# Altium PCB Arduboy_V3.5-2.PcbDoc
Units mil, origin at the board's own origin, x right, y up, seen from the top; angles counter-clockwise.
Board outline 1187.13 x 1777.68 mil, 2 copper layers (Top Layer, Bottom Layer), stack 30.709 mil thick; 44 components, 41 nets, 259 pads, 138 vias.
Unrouted connection lines stored in the file: 50.
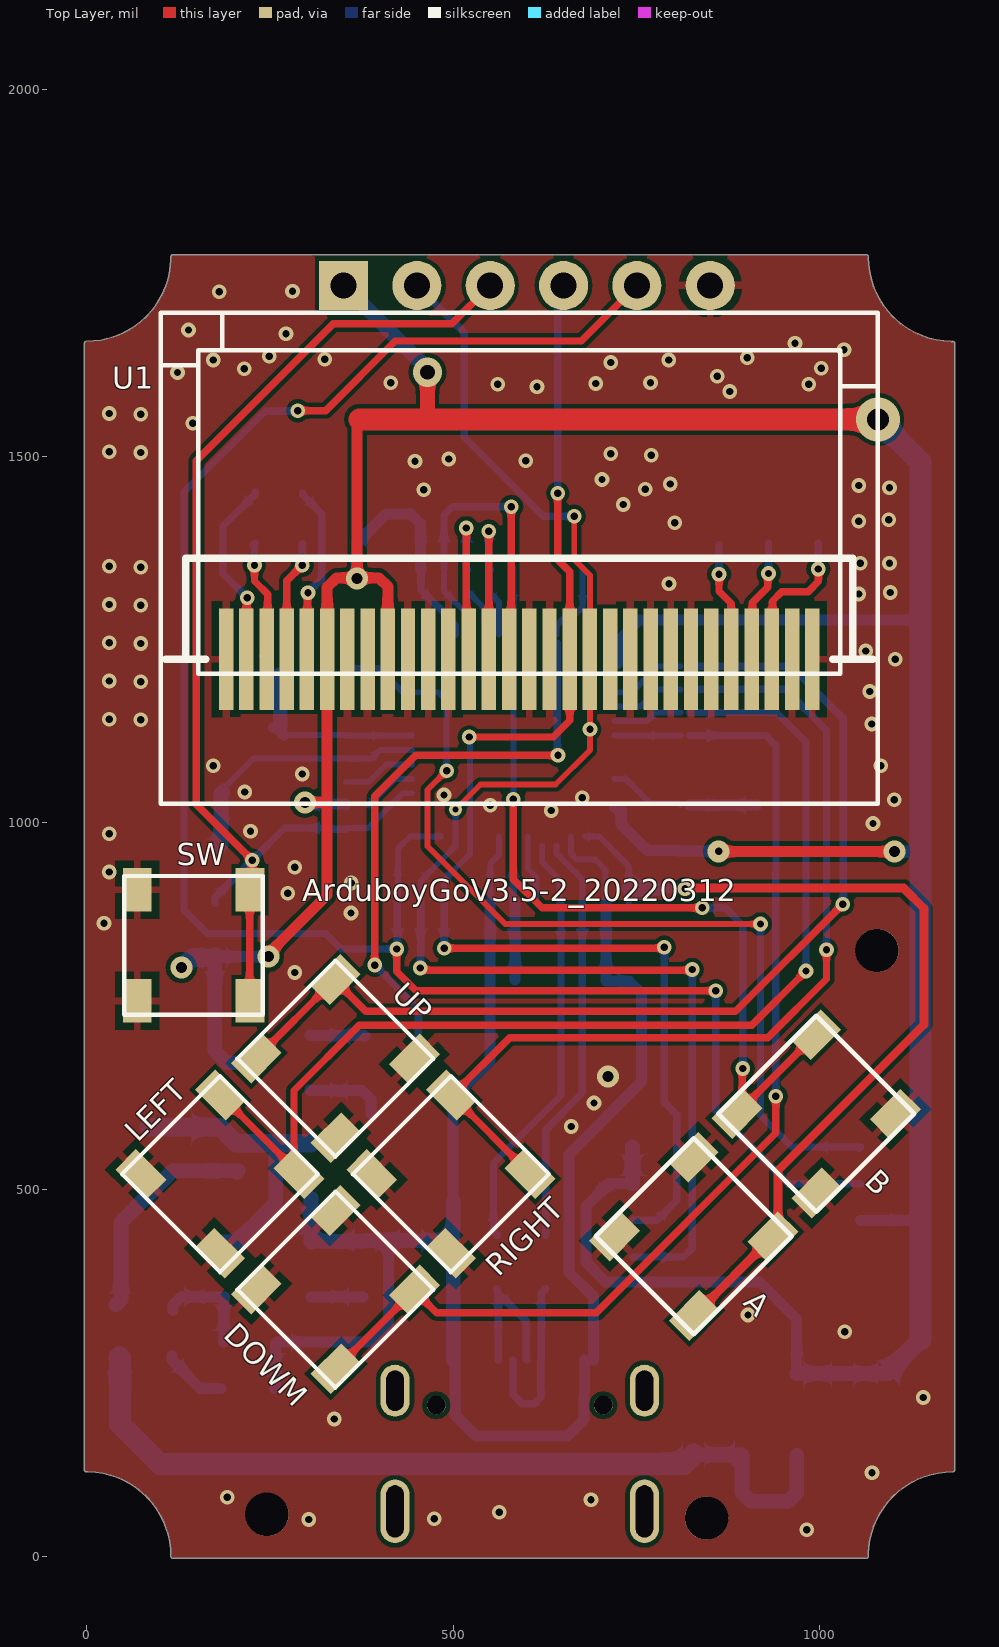
[diagram p0: Top Layer view]
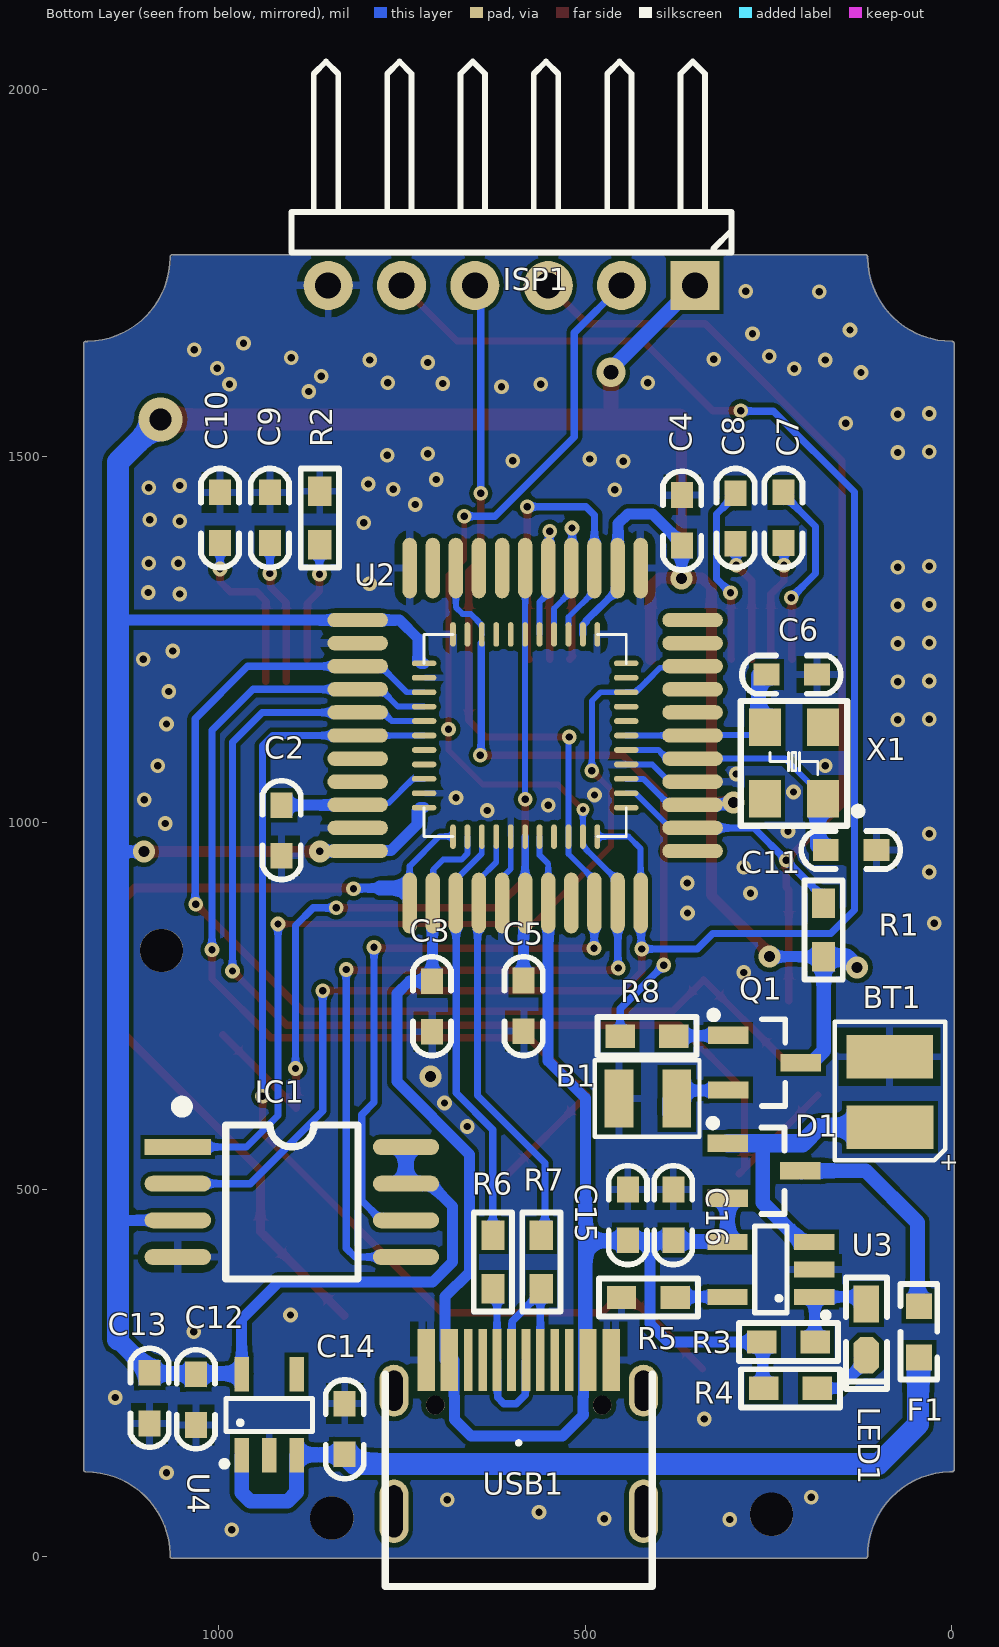
[diagram p1: Bottom Layer view, seen from below]

## Layer stack, top to bottom
Top Solder: solder mask 0.4, Solder Resist, Dk 3.5
Top Layer: signal copper 3.937
Dielectric 1: dielectric 22.8346, FR-4, Dk 4.8
Bottom Layer: signal copper 3.937
Bottom Solder: solder mask 0.4, Solder Resist, Dk 3.5

## Board outline
1.37,115.39 ccw(c2.75,118.08) 2.68,115.06 cw(c0,0) 115.1,0 ccw(c118.11,0) 118.11,-3.02 1063.02,-3.01 ccw(c1063.02,0) 1066.04,0 ccw(c1063.02,0) 1065.71,1.37 ccw(c1063.02,2.75) 1066.04,2.68 cw(c1181.1,0) 1181.1,115.1 ccw(c1181.1,118.11) 1184.12,118.11 1184.12,118.15 1184.12,1653.33 ccw(c1181.1,1653.33) 1179.73,1656.01 ccw(c1178.35,1653.33) 1178.42,1656.35 cw(c1181.1,1771.41) 1066.01,1771.41 ccw(c1062.99,1771.41) 1066,1771.53 ccw(c1062.99,1771.65) 1066.01,1771.65 ccw(c1062.99,1771.65) 1062.99,1774.67 118.08,1774.67 ccw(c118.08,1771.65) 115.39,1770.28 ccw(c118.08,1768.91) 115.06,1768.98 cw(c0,1771.65) 0,1656.56 ccw(c0,1653.54) -3.01,1653.54 -3.02,118.08 ccw(c0,118.08)

## Design rules (kind name [scope] priority, off if disabled: settings)
Clearance [All] p1: gap=6 ignorepadtopadclearanceinfootprint=FALSE
ComponentClearance [All] p1 off: gap=10 collisioncheckmode=3 verticalgap=0 showdistances=FALSE
MinimumSolderMaskSliver [All] p1: minsoldermaskwidth=2
PolygonConnect [All] p1: thpad.connectstyle=Relief thpad.reliefconductorwidth=10 thpad.reliefentries=4 thpad.polygonreliefangle="90 Angle" thpad.airgapwidth=10 smdpad.connectstyle=Relief smdpad.reliefconductorwidth=10 smdpad.reliefentries=4 smdpad.polygonreliefangle="90 Angle" smdpad.airgapwidth=10 via.connectstyle=Direct via.reliefconductorwidth=10 via.reliefentries=4 via.polygonreliefangle="90 Angle" via.airgapwidth=10
RoutingVias [All] p1: holewidth=10 width=20 viastyle="Through Hole" minholewidth=8 minwidth=18 maxholewidth=50 maxwidth=100
SilkToSilkClearance [All] p1: silktosilkclearance=6
SilkToSolderMaskClearance [IsPad] p1: minsilkscreentomaskgap=0 clearancetoexposedcopper=TRUE
SolderMaskExpansion [All] p1: expansion=4 istentingtop=FALSE
Width [All] p1: maxlimit=30 minlimit=6 preferedwidth=6
26 further rules are at their usual default settings.

## Components (designator, comment, footprint, x,y, rotation, side; value= is the part's Value field where it differs from the comment)
A "6x6" "SW SMD-4.8*4.8*0.5" 828,436.13 r225 top
B "6x6" "SW SMD-4.8*4.8*0.5" 995.03,603.16 r45 top
B1 "DC5V" "BEEP SMD-2" 375.26,624 r90 bottom
BT1 "Battery" "Li-Bettery SMD" 85,642 r0 bottom
C2 "0.1uF" "C 0603" 914,990 r90 bottom
C3 "1uF" "C 0603" 709,750 r90 bottom
C4 "2.2uF" "C 0603" 368,1412 r270 bottom
C5 "1uF" "C 0603" 584,750 r270 bottom
C6 "22pf" "C 0603" 219,1202 r0 bottom
C7 "1uF" "C 0603" 230,1415.54 r270 bottom
C8 "1uF" "C 0603" 295,1415.54 r90 bottom
C9 "2.2uF" "C 0603" 930,1415.54 r270 bottom
C10 "2.2uF" "C 0603" 998,1415.54 r270 bottom
C11 "22pf" "C 0603" 138,963 r0 bottom
C12 "2.2uF" "C 0603" 1031,214 r90 bottom
C13 "0.1uF" "C 0603" 1094,216 r90 bottom
C14 "1uF" "C 0603" 828,173 r270 bottom
C15 "10uF" "C 0603" 442,465 r270 bottom
C16 "0.1uF" "C 0603" 380,465 r270 bottom
D1 "BAT54C" SOT23-3M 306,525.6 r270 bottom
DOWM "6x6" "SW SMD-4.8*4.8*0.5" 339.48,363.52 r225 top
F1 "MSMD200-8V 2A" "FU 0603" 45,306 r270 bottom
IC1 "W25Qxx" SOP8W_N 900,483 r180 bottom
ISP1 "HDR-1X6" HDR-1X6_H 350.5,1732.66 r0 bottom
LED1 "" "LED 0603B" 117,309 r270 bottom
LEFT "6x6" "SW SMD-4.8*4.8*0.5" 182,521 r315 top
Q1 "SS8050" SOT23-3M 304.97,673 r270 bottom
R1 "10K" "R 0603" 175,854 r270 bottom
R2 "910K" "R 0603" 862,1415.5 r270 bottom
R3 "10K" "R 0603" 223,292 r180 bottom
R4 "3.3K" "R 0603" 220,229 r0 bottom
R5 "1.5K" "R 0603" 414,352.88 r0 bottom
R6 "22" "R 0603" 626,401 r270 bottom
R7 "22" "R 0603" 560,401 r270 bottom
R8 "3.3K" "R 0603" 416,709 r180 bottom
RIGHT "6x6" "SW SMD-4.8*4.8*0.5" 496.96,521 r315 top
SW "3x6x5" "SW SMD-4.8*4.8*0.5" 146,833 r90 top
U1 "OLED 0.96" "OLED 0.96" 590,1223 r0 top
U2 "Atmega32U4-Line-5v" LQFP-QFN 582,1119 r180 bottom
U3 "LTC4054" SOT23-5M 247,391 r90 bottom
U4 "SPX3819" SOT23-5N 931,193 r180 bottom
UP "6x6" "SW SMD-4.8*4.8*0.5" 339.48,678.48 r45 top
USB1 "Type-C" "Type C 16p" 590.78,154.53 r90 bottom
X1 "8M" XTAL-3225 178,1036 r0 bottom

## Footprints (in the part's own frame and the unit in brackets; to place one, negate y for a bottom-side part, rotate by r counter-clockwise, add the part's x,y. Pads: shape width x height; smd on the part's side, far side on the other; paste and mask are expansions set on the pad)
"BEEP SMD-2" [mm]
  rect 2x1 smd: 1(0,0) 2(0,2)
  silkscreen extent -1.32,-0.79 1.32,2.84
"C 0603" [mil] "无极性贴片电容"
  rect 35x30 smd: 1(-35,0) 2(34,0)
  silkscreen extent -67,-26 67,26, body extent -31,-16 31,16, height 32
"FU 0603" [mil] "贴片保险丝"
  rect 35x35 smd: 1(-35,0) 2(35,0)
  silkscreen extent -65,-25 65,25, body extent -31,-16 31,16, height 20
HDR-1X6_H [mm] "弯脚排针，6脚"
  rect 1.7x1.7 hole 0.9: 1(0,0)
  round 1.7 hole 0.9: 2(2.54,0) 3(5.08,0) 4(7.62,0) 5(10.16,0) 6(12.7,0)
  silkscreen extent -1.27,-7.76 13.97,-1.14, body extent -1.27,-7.77 13.97,1.27, height 4.85
"LED 0603B" [mil] "蓝色0603LED"
  rect 50x35 smd: 1(-35,0.26)
  oct 50x35 smd: 2(35,0.26)
  silkscreen extent -71,-28 81,28, body extent -31,-16 31,16, height 24
"Li-Bettery SMD" [mm] "锂电池焊接部分"
  rect 3x1.5 smd: 1(-0.013,1.448) 2(0,-0.991)
  silkscreen extent -1.93,-2.21 1.91,2.59
LQFP-QFN [mm] "Pin2Pin"
  oval 0.5x2.1 smd: 1(-4,-5.8) 2(-3.2,-5.8) 3(-2.4,-5.8) 4(-1.6,-5.8) 5(-0.8,-5.8) 6(0,-5.8) 7(0.8,-5.8) 8(1.6,-5.8) 9(2.4,-5.8) 10(3.2,-5.8) 11(4,-5.8) 23(4,5.8) 24(3.2,5.8) 25(2.4,5.8) 26(1.6,5.8) 27(0.8,5.8) 28(0,5.8) 29(-0.8,5.8) 30(-1.6,5.8) 31(-2.4,5.8) 32(-3.2,5.8) 33(-4,5.8)
  oval 0.2x0.85 smd: 1(-2.5,-3.5) 2(-2,-3.5) 3(-1.5,-3.5) 4(-1,-3.5) 5(-0.5,-3.5) 6(0,-3.5) 7(0.5,-3.5) 8(1,-3.5) 9(1.5,-3.5) 10(2,-3.5) 11(2.5,-3.5) 23(2.5,3.5) 24(2,3.5) 25(1.5,3.5) 26(1,3.5) 27(0.5,3.5) 28(0,3.5) 29(-0.5,3.5) 30(-1,3.5) 31(-1.5,3.5) 32(-2,3.5) 33(-2.5,3.5)
  oval 0.85x0.2 smd: 12(3.5,-2.5) 13(3.5,-2) 14(3.5,-1.5) 15(3.5,-1) 16(3.5,-0.5) 17(3.5,0) 18(3.5,0.5) 19(3.5,1) 20(3.5,1.5) 21(3.5,2) 22(3.5,2.5) 34(-3.5,2.5) 35(-3.5,2) 36(-3.5,1.5) 37(-3.5,1) 38(-3.5,0.5) 39(-3.5,0) 40(-3.5,-0.5) 41(-3.5,-1) 42(-3.5,-1.5) 43(-3.5,-2) 44(-3.5,-2.5)
  oval 2.1x0.5 smd: 12(5.8,-4) 13(5.8,-3.2) 14(5.8,-2.4) 15(5.8,-1.6) 16(5.8,-0.8) 17(5.8,0) 18(5.8,0.8) 19(5.8,1.6) 20(5.8,2.4) 21(5.8,3.2) 22(5.8,4) 34(-5.8,4) 35(-5.8,3.2) 36(-5.8,2.4) 37(-5.8,1.6) 38(-5.8,0.8) 39(-5.8,0) 40(-5.8,-0.8) 41(-5.8,-1.6) 42(-5.8,-2.4) 43(-5.8,-3.2) 44(-5.8,-4)
  silkscreen extent -3.5,-3.5 3.5,3.5
"OLED 0.96" [mm]
  rect 0.5x3.5 smd: 1(-10.15,0) 2(-9.45,0) 3(-8.75,0) 4(-8.05,0) 5(-7.35,0) 6(-6.65,0) 7(-5.95,0) 8(-5.25,0) 9(-4.55,0) 10(-3.85,0) 11(-3.15,0) 12(-2.45,0) 13(-1.75,0) 14(-1.05,0) 15(-0.35,0) 16(0.35,0) 17(1.05,0) 18(1.75,0) 19(2.45,0) 20(3.15,0) 21(3.85,0) 22(4.55,0) 23(5.25,0) 24(5.95,0) 25(6.65,0) 26(7.35,0) 27(8.05,0) 28(8.75,0) 29(9.45,0) 30(10.15,0)
  silkscreen extent -12.42,-5 12.42,12, body extent -12.42,-8.89 12.42,12, height 1.5
"R 0603" [mil] "1/10W贴片电阻"
  rect 40x31.5 smd: 1(-36.5,0) 2(36.5,0)
  silkscreen extent -68,-26 68,26, body extent -31,-16 31,16, height 16
SOP8W_N [mm] "5.3*8.3*1.8mm（长宽高）"
  rect 2.3x0.55 smd: 1(-3.95,1.905)
  oval 2.3x0.55 smd: 2(-3.95,0.635) 3(-3.95,-0.635) 4(-3.95,-1.905) 5(3.95,-1.905) 6(3.95,-0.635) 7(3.95,0.635) 8(3.95,1.905)
  silkscreen extent -3.94,-2.67 2.29,3.43, body extent -3.94,-2.64 3.94,2.64, height 1.9
SOT23-3M [mm] "3x1.3x1mm(长宽高)"
  rect 0.6x1.4 smd: 1(-0.95,0) 2(0.95,0) 3(0,2.514)
  silkscreen extent -1.78,-0.63 1.5,1.97, body extent -1.5,0.07 1.5,2.47, height 1.05
SOT23-5M [mm] "3x1.6x1.1mm(长宽高)"
  rect 0.55x1.4 smd: 1(-0.95,-1.5) 2(0,-1.5) 3(0.95,-1.5) 4(0.95,1.5) 5(-0.95,1.5)
  silkscreen extent -1.66,-1.98 1.5,0.56, body extent -1.5,-1.4 1.5,1.4, height 1.15
SOT23-5N [mm] "3x1.6x1.1mm(长宽高)"
  rect 0.5x1.2 smd: 1(-0.95,-1.4) 2(0,-1.4) 3(0.95,-1.4) 4(0.95,1.4) 5(-0.95,1.4)
  silkscreen extent -1.63,-1.78 1.5,0.56, body extent -1.5,-1.4 1.5,1.4, height 1.15
"SW SMD-4.8*4.8*0.5" [mm] "锅仔片"
  rect 1.5x1 smd: 1(-1.925,1.95) 1(1.925,1.95) 2(-1.925,-1.95) 2(1.925,-1.95)
  silkscreen extent -2.4,-2.4 2.4,2.4, body extent -2.4,-2.4 2.4,2.4, height 0.35
"Type C 16p" [mm]
  oval 2.2x1 hole 0.6 slot 1.8 at 0 deg: 0(-2.373,4.32) 0(-2.373,-4.32)
  oval 1.8x1 hole 0.6 slot 1.4 at 0 deg: 0(1.807,-4.32) 0(1.807,4.32)
  rect 2.15x0.3 smd: A1(2.873,3.35) A4(2.873,2.55) A5(2.873,1.25) A6(2.873,0.249) A7(2.873,-0.25) A8(2.873,-1.25) A9(2.873,-2.55) A12(2.873,-3.35) B1(2.873,-3.051) B4(2.873,-2.25) B5(2.873,-1.75) B6(2.873,-0.749) B7(2.873,0.749) B8(2.873,1.75) B9(2.873,2.25) B12(2.873,3.051)
  round 0.65 hole 0.65 unplated: ""(1.307,-2.89) ""(1.307,2.89)
  silkscreen extent -4.97,-4.62 2.37,4.62, body extent -4.97,-4.62 2.37,4.62, height 3.16
XTAL-3225 [mil]
  rect 43.31x51.18 smd: 1(-2,3) 2(-2,-94) 3(77,-94) 4(77,3)
  silkscreen extent -55,-130 110,40, body extent -13,-108 85,18, height 31

## Part data
A B DOWM LEFT RIGHT UP: library part "SW SMD-2", "Arduboy 用"
B1: library part BEEP, "蜂鸣器", BOM名称=蜂鸣器, 学习资源=https://lmdzstyle.taobao.com/, 版权归属=黎明电子style
BT1: "锂电池"
C2 C3 C4 C5 C6 C7 C8 C9 C10 C11 C12 C13 C14 C15 C16: library part C, "无极性贴片电容", BOM名称=无极性贴片电容, 学习资源=https://lmdzstyle.taobao.com/, 版权归属=黎明电子style
D1: "双肖基特二极管"
F1: library part FU, "贴片保险丝", BOM名称=贴片保险丝, 学习资源=https://lmdzstyle.taobao.com/, 版权归属=黎明电子style
IC1: "外置Flash", BOM名称=外置Flash, 学习资源=https://lmdzstyle.taobao.com/, 版权归属=黎明电子style
ISP1: library part "Header 6", "6P接插件", BOM名称=6P接插件, 学习资源=https://lmdzstyle.taobao.com/, 版权归属=黎明电子style
LED1: library part LED-SMD, "贴片LED", BOM名称=贴片LED, 学习资源=https://lmdzstyle.taobao.com/, 版权归属=黎明电子style
Q1: library part 8050-SMD, "高频放大-NPN型", BOM名称=高频放大-NPN型, 学习资源=https://lmdzstyle.taobao.com/, 属性="40V 1.5A 1W 100MHZ", 版权归属=黎明电子style
R1 R2 R3 R4 R5 R6 R7 R8: library part R, "贴片电阻", BOM名称=贴片电阻, 学习资源=https://lmdzstyle.taobao.com/, 版权归属=黎明电子style
SW: library part "TSW 3x6", "3x6轻触开关", BOM名称=3x6轻触开关, 学习资源=https://lmdzstyle.taobao.com/, 版权归属=黎明电子style
U3: "充电管理"
U4: "3.3V LDO 稳压"
USB1: library part "Type-C Socket", "USB 3.1  单排16PIN四脚插板(L=7.35) 一体式MD", ComponentLink1Description="USB 3.1 C TYPE单排16PIN四脚插板(L=7.35) 一体式MD", ComponentLink1URL=https://item.szlcsc.com/293008.html
X1: library part XTAL-4, "4脚晶振", BOM名称=4脚晶振, 学习资源=https://lmdzstyle.taobao.com/, 版权归属=黎明电子style

## Free pads (board coordinates)
  round 59.06 hole 59.06 unplated: 2(246,57) 2(845.56,52) 2(1077.74,826)

## Via types
v1: diameter 20, hole 10, Top Layer to Bottom Layer, tented both sides, 128 vias
v2: diameter 30, hole 15, Top Layer to Bottom Layer, tented both sides, 6 vias
v3: diameter 18, hole 8, Top Layer to Bottom Layer, tented both sides, 1 vias
v4: diameter 30, hole 10, Top Layer to Bottom Layer, tented both sides, 1 vias
v5: diameter 60, hole 30, Top Layer to Bottom Layer, tented both sides, 1 vias
v6: diameter 40, hole 20, Top Layer to Bottom Layer, tented both sides, 1 vias

## Nets (pads, with @x,y where several pads share a name; then routed paths per layer and width w, separated by ;. In a path a pad name is that pad's centre, name@x,y a point inside that pad or via, vN(x,y) a via of type N, cw(c..) or ccw(c..) an arc to the next point about the centre after c; other vN are vias at no path point)
3.3V: C4.2 C12.2 C13.2 IC1.3 IC1.7 IC1.8 ISP1.1 Q1.3 R1.2 U1.6 U1.9 U2.14 U2.24 U2.34 U2.44 U4.5 | length 5734
  Top Layer w15: v2(248.5,817.5) 248.5,821.56 328.19,901.25 U1.6 328.19,1321.19 341,1334 v2@369,1334 ; v2(297.65,1027.74) 321.31,1027.74 ; v2(369,1333) v2@369,1334 ; 372,1550 369,1547 v2@369,1334 ; U1.9 410.87,1322.13 399,1334 v2@369,1334 ; v4(862,961) 862.19,960.81 1101.81,960.81 v2(1102,960.62)
  Top Layer w20: 461,1550 465,1554 v6(465,1614.46)
  Top Layer w30: 372,1550 461,1550 v5(1079,1550)
  Bottom Layer w8: U2.14@384.29,1023.24 420.94,1059.88 444.14,1059.88 U2.14@444.2,1059.94
  Bottom Layer w10: U2.24@456.02,1347.35 456.02,1345 456.02,1317.87 479.15,1294.74 479.55,1294.74 498.51,1275.78 498.51,1274.34 503.26,1269.59 U2.24@503.26,1256.8
  Bottom Layer w15: R1.2 v2(248.5,817.5) ; v2(297.65,1027.74) 299.98,1025.41 352.76,1025.41 U2.14@353.65,1024.51 ; v2(369,1333) 368.5,1333.5 368.5,1381 408.54,1421.04 441.96,1421.04 455.12,1407.88 455.12,1345.9 U2.24@456.02,1345 ; U2.44@719.8,1020.57 725.46,1020.57 729.03,1017.01 729.03,998.53 765.14,962.42 809.45,962.42 U2.44@810.35,961.52 ; U2.34@719.8,1217.43 724.22,1217.43 727.78,1220.99 727.78,1250.99 753.28,1276.48 U2.34@810.35,1276.48 ; IC1.7 711.84,508 681,477.16 681,401 708,374 918,374 968.4,323.6 968.4,248.9 U4.5 ; U2.44@807,961.52 807.26,961.26 861.74,961.26 v4(862,961) ; U2.34@807,1276.48 1135.52,1276.48 ; IC1.3 1135,458 1137,460 ; v2(1102,960.62) 1137,960.62
  Bottom Layer w20: R1.2 175,689 191,673 Q1.3 Q1.3@211.44,673 ; ISP1.1 465,1618.16 v6(465,1614.46) ; IC1.7 IC1.8 ; U4.5@968.4,248.9 968.56,249.06 1093.06,249.06 C13.2 C13.2@1094,252.5
  Bottom Layer w25: v2(129.4,802.71) 130.75,802.71 144.16,816.12 173.62,816.12 R1.2 ; C13.2@1094,252.5 1137,295.5
  Bottom Layer w30: v5(1079,1550) 1137,1492 1137,960.62 1137,460 1137,295.5
BEEP: R8.1 U2.31 | length 890
  Top Layer w10: v1(393,806) 393,1036.01 448.99,1092 v1(643,1092)
  Bottom Layer w8: U2.31@641.06,1256.8 641.12,1256.86 641.12,1269.68 656.13,1284.69 667.17,1284.69 676.49,1294.01 U2.31@676.49,1347.35
  Bottom Layer w10: v1(393,806) 452.5,746.5 R8.1 ; U2.31@642.03,1245.06 642.03,1092.97 v1(643,1092)
GND: A.2 B1.2 B.2 BT1.2 C2.1 C3.1 C4.1 C5.2 C6.1 C9.1 C10.1 C11.1 C12.1 C13.1 C14.1 C15.1 C16.1 DOWM.2 IC1.4 ISP1.6 LEFT.2 pad.2 R2.1 R5.2 RIGHT.2 SW.1 U1.1 U1.7 U1.8 U1.10 U1.11 U1.12 U1.16 U1.17 U1.21 U1.22 U1.23 U1.24 U1.25 U1.29 U1.30 U2.5 U2.15 U2.23 U2.33 U2.35 U2.43 U3.2 U4.2 UP.2 USB1.A1 USB1.A12 USB1.B1 USB1.B12 | length 195.8
  Bottom Layer w8: U2.15@353.65,1056.01 385.15,1056.01 408.77,1079.63 U2.15@444.2,1079.63 ; U2.5@601.68,981.2 601.68,937.12 613.5,925.31 U2.5@613.5,890.65
  other v1: 982,36 303,50 474,51 563,60 688,77 192,80.43 1071,114 338,187 1141,216.37 1034,306 902,329 661,586 692,618 284,796 24,863 360.67,877.07 274.64,903.73 360.81,917.88 31,933 284,939.59 31,985.08 223.58,988.64 1072.53,998.97 633.79,1016.84 550.5,1023.93 1101.4,1031.65 676.22,1034.31 487.45,1038.02 216.03,1042 294.06,1066.43 173,1078 1083,1078 1070.94,1134.76 74,1140.33 31,1141.33 1068,1179 74,1192.42 31,1193.42 1102.91,1223 1062.53,1234.17 74,1244.5 31,1245.5 74,1296.58 31,1297.58 1053,1312 1096,1314 794.24,1325.83 74,1348.67 31,1349.67 1055,1354 1095,1354 802,1409 1053,1411 1094,1413 732,1434 460,1454 762,1455 1095,1457 1053,1460 796,1462 703,1468 448,1493 598.78,1493.69 494,1496 770,1501 715,1503 74,1504.92 31,1505.92 145,1545 74,1557 31,1558 877,1588 614.31,1594.77 560.6,1598 985,1598 694.32,1599 415,1600 769.13,1600 860,1609 124,1614 215,1619 1002,1620 715,1627.58 173,1631 794,1631 325,1632 901,1634 249,1636 1033,1645 966,1654 272,1667 139,1672 181,1724 281,1725
  other v2: 711,654
KEY_A: A.1 U2.1 | length 1225.7
  Top Layer w12: v1(816,910) 817,911 1114.22,911 1142,883.22 1142,725.06 942.84,525.89 942.84,442.39 935.88,435.43 A.1@828.7,328.25
  Bottom Layer w8: U2.1@680.49,981.43 698.99,981.43 739.48,940.94 739.48,910.84 U2.1@739.48,890.65
  Bottom Layer w12: 780,911 815,911 v1(816,910)
  Bottom Layer w20: U2.1@739.48,910.84 739.64,911 780,911
KEY_B: B.1 U2.28 | length 1154.7
  Top Layer w10: v1(582,1032.21) 582,923 621,884 v1(839.69,884) ; v1(895,665) 894.12,664.12 894.12,610.82 B.1@994.34,711.04
  Bottom Layer w8: v1(582,1032.21) 582,1256.8 U2.28@582,1347.35
  Bottom Layer w10: v1(839.69,884) 871,884 895,860 v1(895,665)
KEY_DOWM: DOWM.1 U2.39 | length 1515.6
  Top Layer w10: DOWM.1@340.17,255.64 447.35,362.82 440.39,355.86 453.38,355.86 477.25,332 695,332 940,577 v1(940,627)
  Bottom Layer w8: U2.39@719.8,1119 U2.39@810.35,1119
  Bottom Layer w10: U2.39@822,1119 926,1119 940.08,1104.92 940.08,933.02 939,931.94 940,930.94 v1(940,627)
KEY_LEFT: LEFT.1 U2.38 | length 1606.7
  Top Layer w10: LEFT.1@182.7,628.88 LEFT.1@282.92,528.66 ; LEFT.1@289.88,521.7 LEFT.1@282.92,528.66 ; v1(981,798) 907,724 372,724 282.92,634.92 LEFT.1@282.92,528.66
  Bottom Layer w8: U2.38@719.8,1138.69 763.88,1138.69 775.69,1150.5 U2.38@810.35,1150.5
  Bottom Layer w10: U2.38@822,1150.5 940.5,1150.5 981,1110 v1(981,798)
KEY_RIGHT: RIGHT.1 U2.37 | length 1377.9
  Top Layer w10: RIGHT.1@604.83,521.7 497.65,628.88 498.88,628.88 577,707 929,707 1008.93,786.93 v1(1008.93,827)
  Bottom Layer w8: U2.37@719.8,1158.37 755.23,1158.37 778.85,1181.99 U2.37@810.35,1181.99
  Bottom Layer w10: U2.37@822,1181.99 953.01,1181.99 1008.93,1126.07 v1(1008.93,827)
KEY_UP: U2.36 UP.1 | length 1521.1
  Top Layer w10: UP.1@231.6,679.18 338.78,786.36 338.78,785.22 381,743 885,743 v1(1031,889)
  Bottom Layer w8: U2.36@719.8,1178.06 743.42,1178.06 778.85,1213.49 U2.36@810.35,1213.49
  Bottom Layer w10: U2.36@822,1213.49 960.51,1213.49 1032,1142 1032,890 v1(1031,889)
MISO: IC1.2 ISP1.5 U2.11 | length 2701.6
  Top Layer w10: v1(288,1562) 326.22,1562 421.22,1657 674.85,1657 ISP1.5 ; v1(423,828) 423,797.35 449.35,771 v1(858,771)
  Bottom Layer w8: U2.11@424.52,890.65 424.52,894 424.52,964.57 441.15,981.2 U2.11@483.57,981.2
  Bottom Layer w10: v1(288,1562) 287.32,1561.32 243.32,1561.32 133,1451 133,881.2 165.2,849 326.15,849 347.15,828 v1(423,828) 423.76,828.76 423.76,893.24 U2.11@424.52,894 ; v1(858,771) 858,607 957,508 IC1.2
MOSI: IC1.5 ISP1.2 U1.19 U2.10 | length 2051
  Top Layer w8: v3(503.26,1018.08) 537.39,1052.21 639.61,1052.21 686.46,1099.06 v1(686.46,1127.46) U1.19 686.46,1337.54 665,1359 v1(665,1418)
  Top Layer w10: v1(455.12,802) 458.12,799 v1@826,799
  Bottom Layer w8: U2.10@456.02,890.65 456.02,894 456.02,921.14 503.26,968.38 503.26,981.2 v3(503.26,1018.08) v3@503.01,1018.33
  Bottom Layer w10: ISP1.2 515,1668.16 515,1526 623,1418 v1(665,1418) ; v1(455.12,802) 455.57,802.45 455.57,893.55 U2.10@456.02,894 ; IC1.5 814,408 826,420 v1(826,800)
NetB1_1: B1.1 Q1.2 | length 108.1
  Bottom Layer w15: Q1.2 305.71,634.87 375.82,634.87 388,622.69 B1.1@388,603
NetBT1_1: BT1.1 D1.1 U3.3 | length 406.9
  Bottom Layer w20: U3.3 204.68,428.4 258,481.72 258,556 251,563
  Bottom Layer w25: BT1.1 182.01,585 204.01,563 251,563 D1.1
NetC2_2: C2.2 U2.42 | length 197.4
  Bottom Layer w8: U2.42@719.8,1059.94 735.14,1059.94 768.34,1026.75 808.11,1026.75 U2.42@810.35,1024.51
  Bottom Layer w15: U2.42@822,1024.51 822.26,1024.26 913.74,1024.26 C2.2
NetC5_1: C5.1 U2.6 | length 196.6
  Bottom Layer w10: U2.6@582,890.65 U2.6@582,981.2
  Bottom Layer w15: C5.1@584.5,785.5 U2.6@584.5,891.5
NetC6_2: C6.2 U2.17 X1.3 | length 265.7
  Bottom Layer w8: X1.3@269.15,1119.9 U2.17@353.65,1119.9 ; U2.17@353.65,1119 385.93,1119 387,1117.93 388.07,1119 U2.17@444.2,1119
  Bottom Layer w15: X1.3 259.05,1130 X1.3@269.15,1119.9
  Bottom Layer w20: C6.2@263,1202 264,1201 264,1140 X1.3@264,1131
NetC7_1: C7.1 U1.2 | length 259.9
  Top Layer w10: U1.2 218.48,1223.52 218.48,1306.48 v1(219,1307)
  Bottom Layer w10: v1(219,1307) 186,1340 186,1404.04 230,1448.04 C7.1
NetC7_2: C7.2 U1.3 | length 165.8
  Top Layer w10: v1(229,1351) 229,1329.7 247,1311.7 247,1234.17 U1.3@240.67,1227.84
  Bottom Layer w10: v1(229,1351) 229,1376.54 227,1378.54 C7.2
NetC8_1: C8.1 U1.4 | length 166.6
  Top Layer w10: U1.4 273.07,1330.07 v1(294,1351)
  Bottom Layer w10: v1(294,1351) 294,1379.54 C8.1
NetC8_2: C8.2 U1.5 | length 245.8
  Top Layer w10: U1.5 301.32,1223.69 301.32,1313.15 v1(302,1313.84)
  Bottom Layer w10: C8.2 295,1447.04 321,1421.04 321,1332.84 v1(302,1313.84)
NetC9_2: C9.2 U1.27 | length 196.3
  Top Layer w10: U1.27@907.93,1193 907.93,1299.93 929,1321 v1@929,1339
  Bottom Layer w10: v1(930,1340) C9.2
NetC10_2: C10.2 U1.28 | length 235.5
  Top Layer w10: U1.28@935.49,1193 935.49,1302.49 948,1315 984,1315 998,1329 v1(998,1346)
  Bottom Layer w10: v1(998,1346) C10.2
NetC11_2: C11.2 U2.16 X1.1 | length 362.3
  Bottom Layer w8: X1.1@186,1045.94 227.57,1087.5 353.65,1087.5 388.31,1087.5 400.12,1099.31 U2.16@444.2,1099.31
  Bottom Layer w15: X1.1@186,1042 X1.1@186,1045.94
  Bottom Layer w20: C11.2@181,966 183.5,968.5 183.5,1039.5 X1.1@186,1042
NetC14_2: C14.2 F1.2 U4.1 U4.3 | length 1153.1
  Bottom Layer w20: C14.2 828,138.94 828.5,138.44 893.44,138.44 893.6,138.28 U4.3 ; U4.3@893.44,136.94 893.76,136.63 893.76,87.24 906,75 956.69,75 968.4,86.72 U4.1
  Bottom Layer w30: F1.2 46,270 46,180 100,126 815,126 C14.2
NetD1_3: D1.3 F1.1 | length 306.7
  Bottom Layer w20: F1.1@40,343 47,350 47,455 117.59,525.59 D1.3 D1.3@205.22,523.78
NetLED1_1: LED1.1 R3.2 U3.1 | length 144.5
  Bottom Layer w15: LED1.1@117.74,335 117.74,342.5 128.85,353.6 U3.1 187.22,352.88 187.22,292.72 R3.2
NetLED1_2: LED1.2 R4.1 | length 89.3
  Bottom Layer w15: LED1.2 116.74,267.26 155,229 R4.1
NetQ1_1: Q1.1 R8.2 | length 75.1
  Bottom Layer w15: Q1.1 305.68,709.7 378.8,709.7 R8.2
NetR2_2: R2.2 U1.26 | length 163.9
  Top Layer w10: v1(862.5,1339) 862.5,1315.5 879,1299 879,1223.37 U1.26
  Bottom Layer w10: R2.2 R2.2@862.5,1378.5 ; v1(862.5,1339) R2.2@862.5,1378.5 ; R2.2@863,1378 R2.2@862.5,1378.5
NetR5_1: R5.1 U3.5 | length 71.7
  Bottom Layer w10: R5.1@376.78,353.6 R5.1
  Bottom Layer w15: U3.5 R5.1@376.78,353.6
NetR6_2: R6.2 USB1.A7 USB1.B7 | length 244.8
  Bottom Layer w10: USB1.A7 581.84,266.72 581.84,220.16 594,208 611,208 619.37,216.37 619.37,266.72 USB1.B7 620.28,358.78 R6.2
NetR7_2: R7.2 USB1.A6 USB1.B6 | length 205
  Bottom Layer w10: R7.2 560,360.25 R7.2@561.28,358.97 ; USB1.B6 R7.2@561.28,358.97 ; USB1.A6 599.67,268.53 599.67,320.57 R7.2@561.28,358.97
OLED_CS: U1.13 U2.26 | length 326.1
  Top Layer w10: v1(518,1402) 518,1228.11 517,1227.1 U1.13
  Bottom Layer w8: U2.26@519.01,1347.35 519.01,1345 519.01,1315.85 542.63,1292.23 U2.26@542.63,1269.53
  Bottom Layer w10: v1(518,1402) 518,1346 U2.26@519.01,1345
OLED_D/C: U1.15 U2.25 | length 470
  Top Layer w10: U1.15 579,1225.78 v1(579,1431)
  Bottom Layer w8: U2.25@487.51,1347.35 487.51,1315.85 522.88,1280.48 U2.25@522.88,1269.53
  Bottom Layer w10: U2.25@487.51,1347.35 487.51,1419.51 499,1431 v1(579,1431)
OLED_RES: U1.14 U2.27 | length 322.9
  Top Layer w10: U1.14 v1(548.65,1397.35)
  Bottom Layer w8: U2.27@550.5,1347.35 550.5,1345 550.5,1312.69 562.31,1300.88 U2.27@562.31,1256.8
  Bottom Layer w10: v1(548.65,1397.35) 548.65,1346.85 U2.27@550.5,1345
RESET: ISP1.3 R1.1 SW.2 U2.13 | length 1605.6
  Top Layer w10: SW.2@222.77,757.21 222.5,757.48 222.5,908.52 222.77,908.79 226,912.02 v1(226,949) 149.85,1025.15 149.85,1493.69 336.5,1680.34 498.18,1680.34 ISP1.3
  Bottom Layer w8: U2.13@353.65,993.02 384.14,993.02 431.38,1040.26 U2.13@444.2,1040.26
  Bottom Layer w10: R1.1 175,898 v1(226,949) 270.02,993.02 334.15,993.02 336,991.16 U2.13@353.65,991.16
RX: IC1.1 U2.20 | length 1282.1
  Top Layer w8: v1(491.07,1071) 465,1044.93 465,1040.3 465,968 571,862 v1(919,862)
  Bottom Layer w8: U2.20@353.65,1213.49 355.7,1211.44 398,1211.44 416.31,1193.13 431.32,1178.12 444.14,1178.12 444.2,1178.06 479.2,1178.06 491.07,1166.18 v1(491.07,1071)
  Bottom Layer w10: v1(919,862) 919,601 962,558 IC1.1 IC1.1@1053.51,556
SCK: IC1.6 ISP1.4 U1.18 U2.9 | length 1782
  Top Layer w10: v1(488,829) 786.75,829 v1(788,830.25) ; v1(521.71,1116.9) 636.26,1116.9 658.9,1139.54 U1.18 658.9,1342.47 642.5,1358.87 v1(642.5,1449.5)
  Bottom Layer w8: U2.9@487.51,890.65 487.51,894 487.51,922.15 522.88,957.52 522.88,981.14 522.94,981.2 522.88,981.27 522.88,1115.72 v1(521.71,1116.9)
  Bottom Layer w10: U2.9@486.76,894.76 487.51,894 487.76,893.76 487.76,829.24 v1(488,829) ; v1(642.5,1449.5) 642.5,1724.65 ISP1.4 ; IC1.6 777.99,458 805,485 805,602 788,619 v1(788,830.25)
USB_D+: R7.1 U2.4 | length 584.3
  Bottom Layer w8: U2.4@621.43,968.47 621.43,946.14 644.99,922.59 U2.4@644.99,890.65
  Bottom Layer w10: R7.1 555,442.5 555,536.24 647,628.24 U2.4@647,894
USB_D-: R6.1 U2.3 | length 569.7
  Bottom Layer w8: U2.3@641.12,968.47 641.12,957.8 676.49,922.43 U2.3@676.49,890.65
  Bottom Layer w10: R6.1 626,581.7 676,631.7 U2.3@676,894
VBUS: C3.2 C15.2 C16.2 D1.2 R3.1 R4.2 U2.2 U2.7 U3.4 USB1.A4 USB1.A9 USB1.B4 USB1.B9 | length 2531.7
  Bottom Layer w8: U2.7@550.5,890.65 550.5,943.99 562.25,955.74 562.25,981.14 U2.7@562.31,981.2 ; U2.2@660.74,981.2 660.8,981.14 660.8,957.92 668.62,950.1 693.7,950.1 707.37,936.43 707.37,891.27 U2.2@707.98,890.65
  Bottom Layer w15: R4.2 258,230.5 258,290.5 R3.1 387,292 412,317 412,431 ; 500,485 500,625 550.5,675.5 U2.7@550.5,890.65 ; USB1.B4 502.47,267.33 502.47,217.71 503.3,216.89 503.3,195.11 502.47,194.29 502.47,192.53 531,164 656,164 678.26,186.26 678.26,218.01 679.09,218.83 679.09,267.33 USB1.B9 ; USB1.A4 691.18,353.84 658,387.02 658,548 757,647 757,767 740,784 C3.2 708.49,784.51 U2.2@708.49,890.65
  Bottom Layer w20: U3.4 306.88,429.23 378.23,429.23 C16.2 412,431 C15.2 442,430 500,430 ; U3.4@306.03,428.43 D1.2 ; USB1.B4@499.97,267.62 499.97,336.8 ; 500,336.83 500,430 ; 500,485 500,430
pads on no net: U1.20 U2.8 U2.12 U2.18 U2.19 U2.21 U2.22 U2.29 U2.30 U2.32 U2.40 U2.41 U4.4 USB1. USB1.0 USB1.A5 USB1.A8 USB1.B5 USB1.B8 X1.2 X1.4

## Polygon pours and split planes (outlines as drawn)
GND on Bottom Layer "Top Layer-GND" (solid, pour order 3): -4,118.15 ccw(c-0.98,118.11) -0.98,115.1 cw(c-0.98,0) 114.08,2.68 ccw(c117.09,2.75) 114.41,1.37 ccw(c117.09,0) 117.09,-3.01 1062.01,-3.02 1062.01,-3.01 ccw(c1062.01,0) 1065.02,0 cw(c1180.12,0) 1177.44,115.06 ccw(c1177.37,118.08) 1178.74,115.39 ccw(c1180.12,118.08) 1183.13,118.08 1183.13,1653.54 ccw(c1180.12,1653.54) 1180.12,1656.56 cw(c1180.12,1771.65) 1065.05,1768.98 ccw(c1062.04,1768.91) 1064.72,1770.28 ccw(c1062.04,1771.65) 1065.05,1771.65 ccw(c1062.04,1771.65) 1062.04,1774.67 117.13,1774.67 ccw(c117.13,1771.65) 114.11,1771.53 ccw(c117.13,1771.41) 114.11,1771.41 cw(c-0.98,1771.41) 1.69,1656.35 ccw(c1.76,1653.33) 0.39,1656.01 ccw(c-0.98,1653.33) -4,1653.33
GND on Top Layer "Top Layer-GND" (solid, pour order 1): -3.01,118.15 ccw(c0,118.11) 0,115.1 cw(c0,0) 115.06,2.68 ccw(c118.08,2.75) 115.39,1.37 ccw(c118.08,0) 118.08,-3.01 1062.99,-3.02 1062.99,-3.01 ccw(c1062.99,0) 1066.01,0 cw(c1181.1,0) 1178.42,115.06 ccw(c1178.35,118.08) 1179.73,115.39 ccw(c1181.1,118.08) 1184.12,118.08 1184.12,1653.54 ccw(c1181.1,1653.54) 1181.1,1656.56 cw(c1181.1,1771.65) 1066.04,1768.98 ccw(c1063.02,1768.91) 1065.71,1770.28 ccw(c1063.02,1771.65) 1066.04,1771.65 ccw(c1063.02,1771.65) 1063.02,1774.67 118.11,1774.67 ccw(c118.11,1771.65) 115.1,1771.53 ccw(c118.11,1771.41) 115.1,1771.41 cw(c0,1771.41) 2.68,1656.35 ccw(c2.75,1653.33) 1.37,1656.01 ccw(c0,1653.33) -3.01,1653.33

## Silkscreen, mask and mechanical layers (free items; w line width, h text height)
Top Overlay:
  lines w6: 101.02,1624 152.2,1624 ; 185,1644.26 185,1695.44 ; 1027.8,1595 1078.98,1595
  text "ArduboyGoV3.5-2_20220312" at 294,893.07 h30
Mechanical 1:
  lines w6: 0,1653.33 0,118.11 cw(c0,0) 118.08,2.75 ; 2.75,1653.33 ccw(c0,1771.41) 118.11,1771.41 ; 118.08,0 1062.99,0 cw(c1181.1,0) 1178.35,118.08 ; 118.11,1771.65 1063.02,1771.65 ; 1063.02,1768.91 ccw(c1181.1,1771.65) 1181.1,1653.54 1181.1,118.08

## Text inside footprints (layer, text, board x,y; h text height)
BT1: Bottom Overlay "+" at -9,547 h23.62 r180